# Altium PCB openservo_tessellated.PcbDoc (part 6 of 13)
Units mm, origin at the board's own origin, x right, y up, seen from the top; angles counter-clockwise.
Board outline 225 x 202.5 mm, 2 copper layers (Top Layer, Bottom Layer); 1250 components, 19 nets, 5300 pads, 1100 vias.
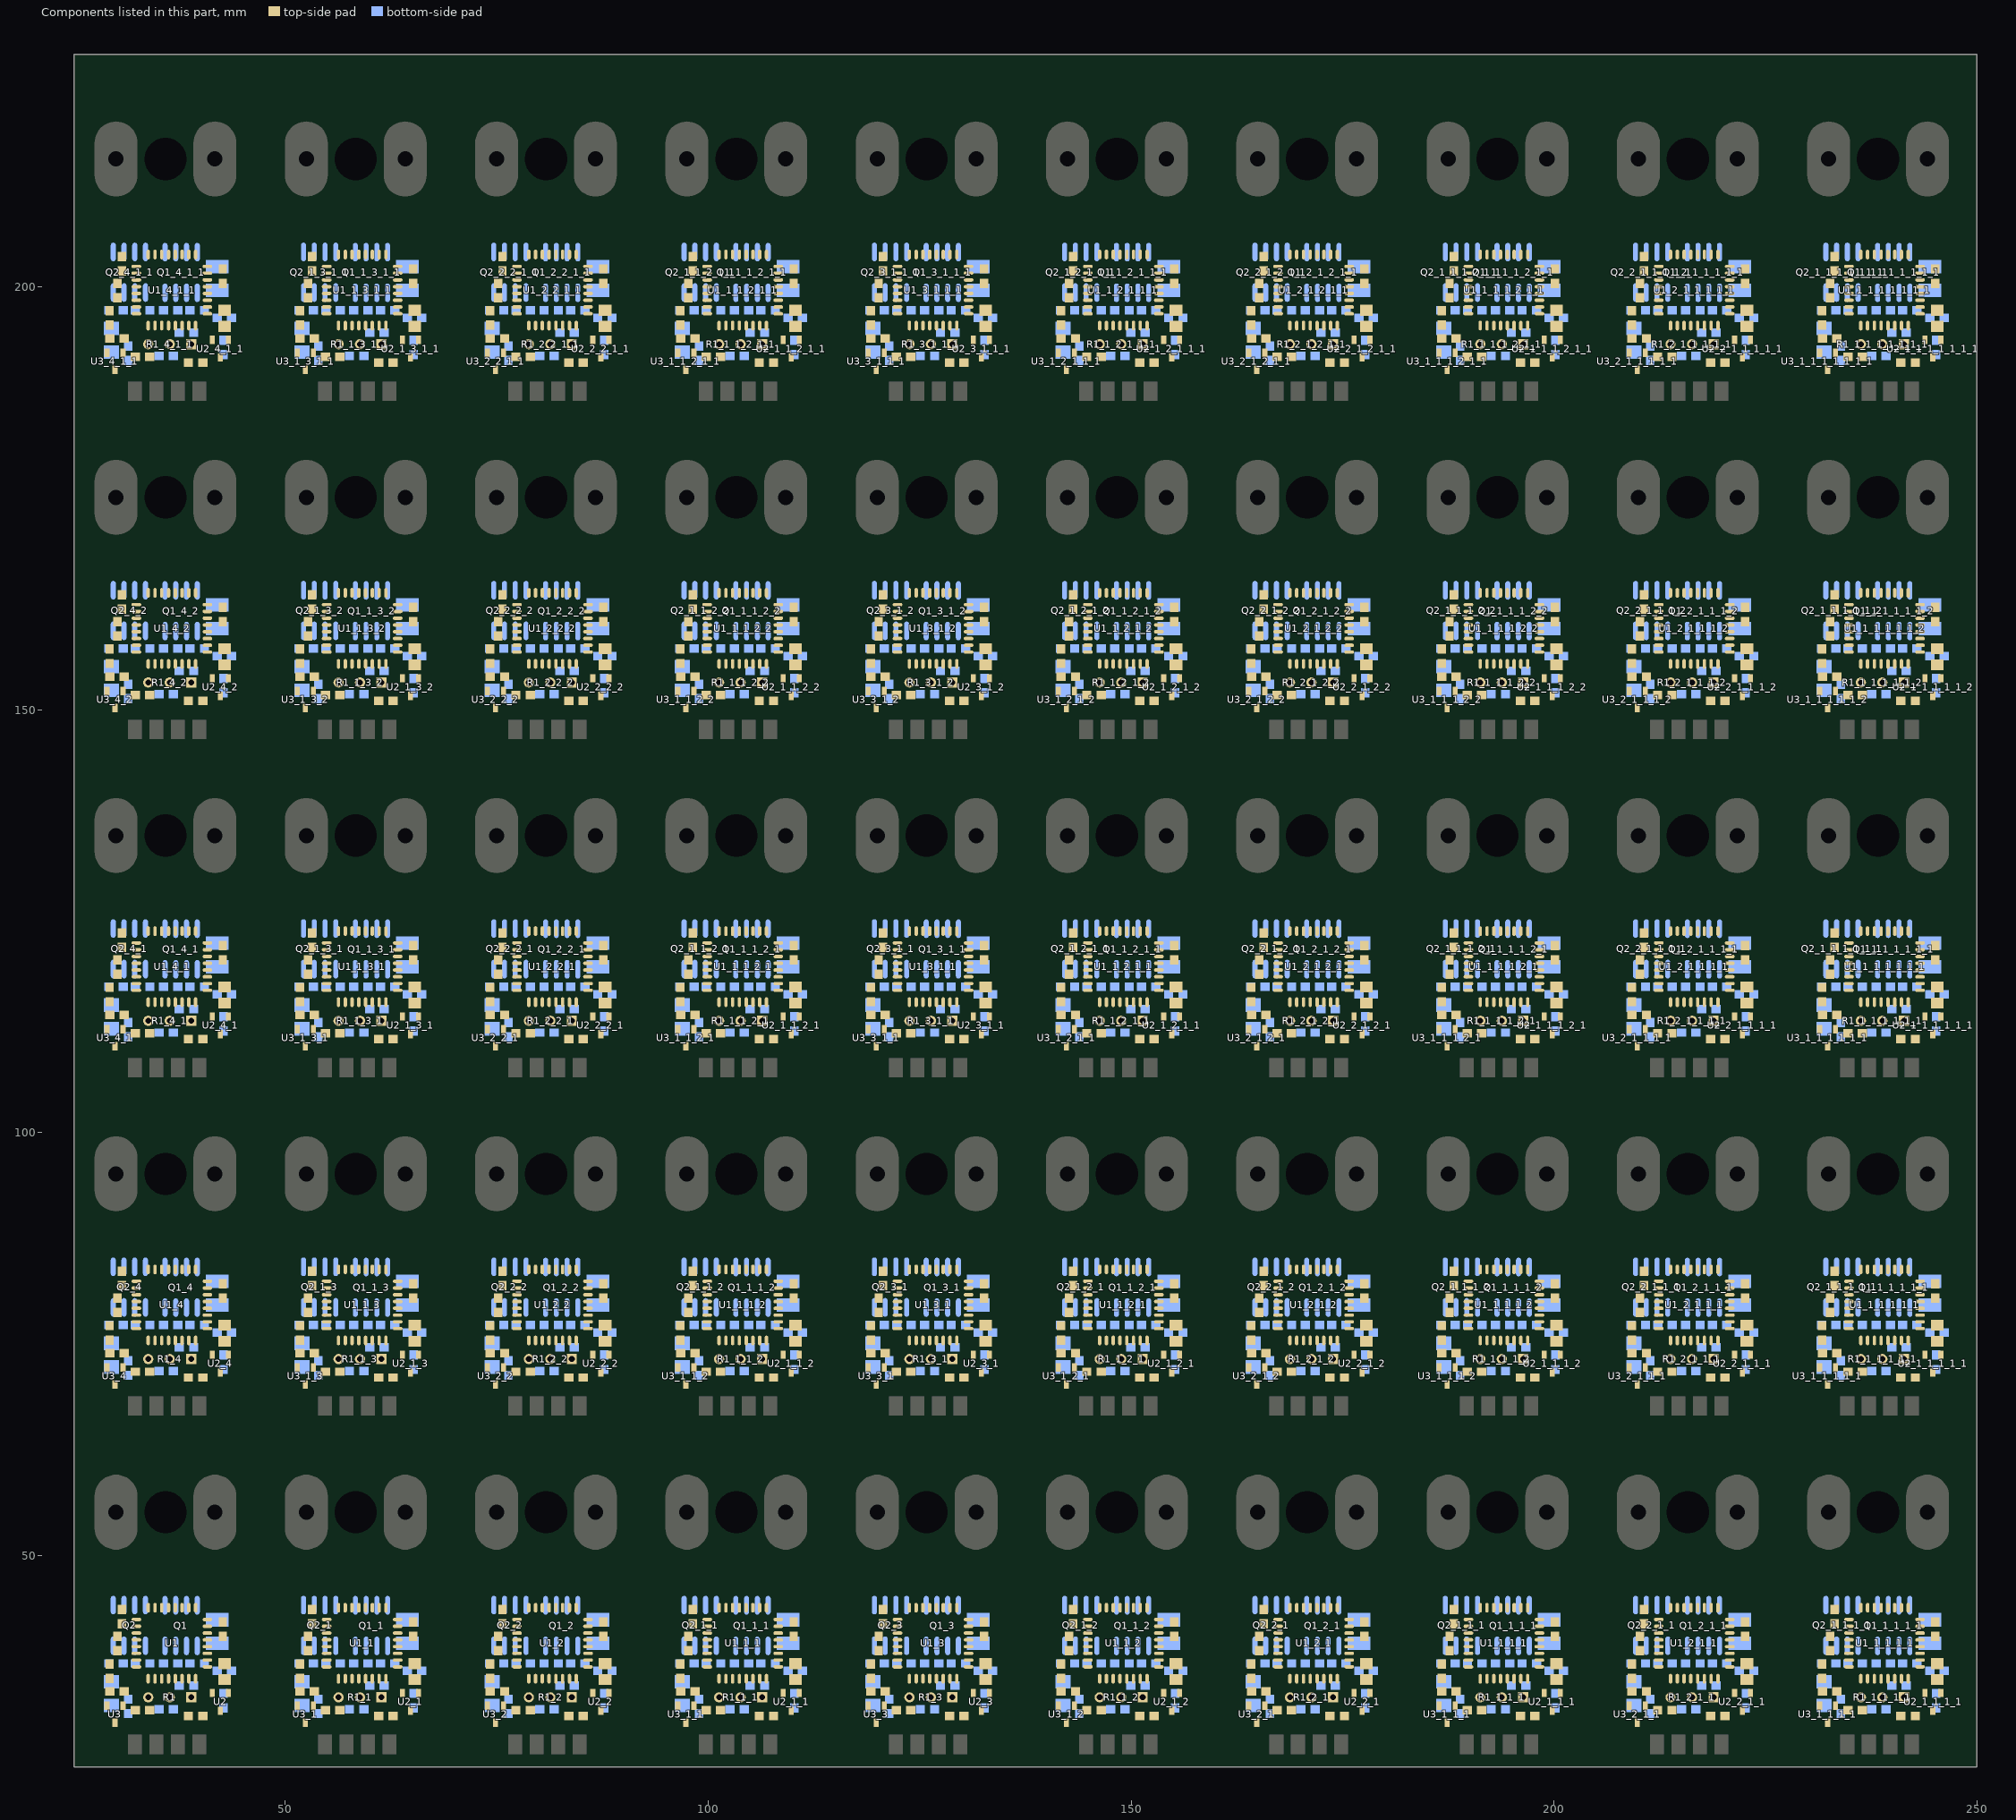
[diagram p6: the components of this part, seen from the top]

## Via types
v1: diameter 0.762, hole 0.35, Top Layer to Bottom Layer, 1000 vias
v2: diameter 1.27, hole 0.7, Top Layer to Bottom Layer, 100 vias

## Nets (pads, with @x,y where several pads share a name; then routed paths per layer and width w, separated by ;. In a path a pad name is that pad's centre, name@x,y a point inside that pad or via, vN(x,y) a via of type N, cw(c..) or ccw(c..) an arc to the next point about the centre after c; other vN are vias at no path point) (continued)
copper on no net: (continued)
  Top Layer w0.254: 27.5,65 245,65 ; 27.5,105 245,105 ; 27.5,145 245,145 ; 27.5,185 245,185 ; 27.5,225 245,225 ; v1(27.813,83.764) 28.118,83.764 29.391,85.037 33.931,85.037 34.576,84.393 34.576,83.824 ; v1(27.813,123.764) 28.118,123.764 29.391,125.037 33.931,125.037 34.576,124.393 34.576,123.824 ; v1(27.813,163.764) 28.118,163.764 29.391,165.037 33.931,165.037 34.576,164.393 34.576,163.824 ; v1(27.813,203.764) 28.118,203.764 29.391,205.037 33.931,205.037 34.576,204.393 34.576,203.824 ; v1(28.854,81.935) 28.854,82.24 30.212,83.598 30.658,83.598 31.601,82.655 31.601,81.881 31.858,81.624 32.376,81.624 ; v1(28.854,121.935) 28.854,122.24 30.212,123.598 30.658,123.598 31.601,122.655 31.601,121.881 31.858,121.624 32.376,121.624 ; v1(28.854,161.935) 28.854,162.24 30.212,163.598 30.658,163.598 31.601,162.655 31.601,161.881 31.858,161.624 32.376,161.624 ; v1(28.854,201.935) 28.854,202.24 30.212,203.598 30.658,203.598 31.601,202.655 31.601,201.881 31.858,201.624 32.376,201.624 ; 29.21,75.472 29.503,75.472 31.655,77.624 32.376,77.624 ; 29.21,115.472 29.503,115.472 31.655,117.624 32.376,117.624 ; 29.21,155.472 29.503,155.472 31.655,157.624 32.376,157.624 ; 29.21,195.472 29.503,195.472 31.655,197.624 32.376,197.624 ; 29.224,73.909 29.845,73.288 29.845,70.217 30.642,71.013 31.535,71.013 32.246,71.725 ; 29.224,113.909 29.845,113.288 29.845,110.217 30.642,111.013 31.535,111.013 32.246,111.725 ; 29.224,153.909 29.845,153.288 29.845,150.217 30.642,151.013 31.535,151.013 32.246,151.725 ; 29.224,193.909 29.845,193.288 29.845,190.217 30.642,191.013 31.535,191.013 32.246,191.725 ; 29.513,75.624 31.076,74.061 ; 29.513,115.624 31.076,114.061 ; 29.513,155.624 31.076,154.061 ; 29.513,195.624 31.076,194.061 ; 29.574,84.306 29.599,84.306 27.788,82.495 27.788,69.997 28.449,69.336 30.631,69.336 v1(30.963,69.667) ; 29.574,124.306 29.599,124.306 27.788,122.495 27.788,109.997 28.449,109.336 30.631,109.336 v1(30.963,109.667) ; 29.574,164.306 29.599,164.306 27.788,162.495 27.788,149.997 28.449,149.336 30.631,149.336 v1(30.963,149.667) ; 29.574,204.306 29.599,204.306 ; 29.599,84.306 29.822,84.529 33.071,84.529 33.776,83.824 ; 29.599,124.306 29.822,124.529 33.071,124.529 33.776,123.824 ; 29.599,164.306 29.822,164.529 33.071,164.529 33.776,163.824 ; 30.15,78.723 30.24,78.723 31.54,80.024 32.376,80.024 ; 30.15,118.723 30.24,118.723 31.54,120.024 32.376,120.024 ; 30.15,158.723 30.24,158.723 31.54,160.024 32.376,160.024 ; 30.15,198.723 30.24,198.723 31.54,200.024 32.376,200.024 ; 30.658,81.898 30.15,81.39 30.15,80.423 30.123,80.45 29.706,80.45 29.21,79.954 29.21,77.172 30.485,77.172 31.242,77.929 31.242,78.633 31.833,79.224 32.376,79.224 33.115,79.224 33.506,78.833 33.506,76.527 32.995,76.015 32.995,74.969 33.833,74.13 33.833,73.274 ; 30.658,121.898 30.15,121.39 30.15,120.423 30.123,120.45 29.706,120.45 29.21,119.954 29.21,117.172 30.485,117.172 31.242,117.929 31.242,118.633 31.833,119.224 32.376,119.224 33.115,119.224 33.506,118.833 33.506,116.527 32.995,116.015 32.995,114.969 33.833,114.13 33.833,113.274 ; 30.658,161.898 30.15,161.39 30.15,160.423 30.123,160.45 29.706,160.45 29.21,159.954 29.21,157.172 30.485,157.172 31.242,157.929 31.242,158.633 31.833,159.224 32.376,159.224 33.115,159.224 33.506,158.833 33.506,156.527 32.995,156.015 32.995,154.969 33.833,154.13 33.833,153.274 ; 30.658,201.898 30.15,201.39 30.15,200.423 30.123,200.45 29.706,200.45 29.21,199.954 29.21,197.172 30.485,197.172 31.242,197.929 31.242,198.633 31.833,199.224 32.376,199.224 33.115,199.224 33.506,198.833 33.506,196.527 32.995,196.015 32.995,194.969 33.833,194.13 33.833,193.274 ; 30.795,72.217 31.099,72.217 31.855,72.972 31.855,74.947 v1(31.191,75.611) ; 30.795,112.217 31.099,112.217 31.855,112.972 31.855,114.947 v1(31.191,115.611) ; 30.795,152.217 31.099,152.217 31.855,152.972 31.855,154.947 v1(31.191,155.611) ; 30.795,192.217 31.099,192.217 31.855,192.972 31.855,194.947 v1(31.191,195.611) ; v1(30.963,189.667) 30.631,189.336 28.449,189.336 27.788,189.997 27.788,202.495 29.599,204.306 ; 32.182,67.661 32.182,68.09 35.341,71.249 35.341,73.63 35.535,73.823 35.535,74.919 35.376,75.077 35.376,75.424 ; 32.182,107.661 32.182,108.09 35.341,111.249 35.341,113.63 35.535,113.823 35.535,114.919 35.376,115.077 35.376,115.424 ; 32.182,147.661 32.182,148.09 35.341,151.249 35.341,153.63 35.535,153.823 35.535,154.919 35.376,155.077 35.376,155.424 ; 32.182,187.661 32.182,188.09 35.341,191.249 35.341,193.63 35.535,193.823 35.535,194.919 35.376,195.077 35.376,195.424 ; 32.376,76.824 32.376,74.68 32.741,74.315 32.741,74.265 v1(32.639,74.163) ; 32.376,82.424 32.948,82.424 34.014,81.358 34.014,78.39 36.176,76.229 36.176,75.424 36.176,74.858 37.363,73.671 37.363,70.277 37.897,69.743 39.167,69.743 39.802,69.108 39.802,67.661 ; 32.376,116.824 32.376,114.68 32.741,114.315 32.741,114.265 v1(32.639,114.163) ; 32.376,122.424 32.948,122.424 34.014,121.358 34.014,118.39 36.176,116.229 36.176,115.424 36.176,114.858 37.363,113.671 37.363,110.277 37.897,109.743 39.167,109.743 39.802,109.108 39.802,107.661 ; 32.376,156.824 32.376,154.68 32.741,154.315 32.741,154.265 v1(32.639,154.163) ; 32.376,162.424 32.948,162.424 34.014,161.358 34.014,158.39 36.176,156.229 36.176,155.424 36.176,154.858 37.363,153.671 37.363,150.277 37.897,149.743 39.167,149.743 39.802,149.108 39.802,147.661 ; 32.376,196.824 32.376,194.68 32.741,194.315 32.741,194.265 v1(32.639,194.163) ; 32.376,202.424 32.948,202.424 34.014,201.358 34.014,198.39 36.176,196.229 36.176,195.424 36.176,194.858 37.363,193.671 37.363,190.277 37.897,189.743 39.167,189.743 39.802,189.108 39.802,187.661 ; v1(32.512,70.201) 33.122,70.201 33.946,71.025 33.946,73.161 33.833,73.274 ; v1(32.512,110.201) 33.122,110.201 33.946,111.025 33.946,113.161 33.833,113.274 ; v1(32.512,150.201) 33.122,150.201 33.946,151.025 33.946,153.161 33.833,153.274 ; v1(32.512,190.201) 33.122,190.201 33.946,191.025 33.946,193.161 33.833,193.274 ; 33.757,73.35 33.833,73.274 ; 33.757,113.35 33.833,113.274 ; 33.757,153.35 33.833,153.274 ; 33.757,193.35 33.833,193.274 ; 33.776,75.424 33.776,74.906 34.417,74.265 34.722,74.265 34.797,74.189 34.797,74.188 v1(34.773,74.163) ; 33.776,115.424 33.776,114.906 34.417,114.265 34.722,114.265 34.797,114.189 34.797,114.188 v1(34.773,114.163) ; 33.776,155.424 33.776,154.906 34.417,154.265 34.722,154.265 34.797,154.189 34.797,154.188 v1(34.773,154.163) ; 33.776,195.424 33.776,194.906 34.417,194.265 34.722,194.265 34.797,194.189 34.797,194.188 v1(34.773,194.163) ; 33.776,203.824 33.071,204.529 29.822,204.529 29.599,204.306 ; v1(34.106,82.376) 34.129,82.376 34.671,81.834 34.671,78.811 v1(34.798,78.811) ; v1(34.106,122.376) 34.129,122.376 34.671,121.834 34.671,118.811 v1(34.798,118.811) ; v1(34.106,162.376) 34.129,162.376 34.671,161.834 34.671,158.811 v1(34.798,158.811) ; v1(34.106,202.376) 34.129,202.376 34.671,201.834 34.671,198.811 v1(34.798,198.811) ; 35.376,83.824 35.376,82.881 v1(36.347,81.91) ; 35.376,123.824 35.376,122.881 v1(36.347,121.91) ; 35.376,163.824 35.376,162.881 v1(36.347,161.91) ; 35.376,203.824 35.376,202.881 v1(36.347,201.91) ; v1@35.408,70.328 35.458,70.378 v1(35.611,70.378) ; v1@35.408,110.328 35.458,110.378 v1(35.611,110.378) ; v1@35.408,150.328 35.458,150.378 v1(35.611,150.378) ; v1@35.408,190.328 35.458,190.378 v1(35.611,190.378) ; 36.176,83.824 36.176,83.252 36.734,82.694 37.57,82.694 38.28,81.984 v1@38.28,81.148 ; 36.176,123.824 36.176,123.252 36.734,122.694 37.57,122.694 38.28,121.984 v1@38.28,121.148 ; 36.176,163.824 36.176,163.252 36.734,162.694 37.57,162.694 38.28,161.984 v1@38.28,161.148 ; 36.176,203.824 36.176,203.252 36.734,202.694 37.57,202.694 38.28,201.984 v1@38.28,201.148 ; 36.976,75.424 36.976,74.779 37.233,74.522 39.671,74.522 40.22,73.973 40.22,71.039 40.22,70.062 41.021,69.261 42.189,69.261 v1(43.053,70.124) ; 36.976,115.424 36.976,114.779 37.233,114.522 39.671,114.522 40.22,113.973 40.22,111.039 40.22,110.062 41.021,109.261 42.189,109.261 v1(43.053,110.124) ; 36.976,155.424 36.976,154.779 37.233,154.522 39.671,154.522 40.22,153.973 40.22,151.039 40.22,150.062 41.021,149.261 42.189,149.261 v1(43.053,150.124) ; 36.976,195.424 36.976,194.779 37.233,194.522 39.671,194.522 40.22,193.973 40.22,191.039 40.22,190.062 41.021,189.261 42.189,189.261 v1(43.053,190.124) ; 38.52,71.039 38.52,73.034 38.837,73.35 ; 38.52,111.039 38.52,113.034 38.837,113.35 ; 38.52,151.039 38.52,153.034 38.837,153.35 ; 38.52,191.039 38.52,193.034 38.837,193.35 ; v1(40.538,75.585) 40.869,75.585 42.504,77.221 42.799,77.221 ; v1(40.538,115.585) 40.869,115.585 42.504,117.221 42.799,117.221 ; v1(40.538,155.585) 40.869,155.585 42.504,157.221 42.799,157.221 ; v1(40.538,195.585) 40.869,195.585 42.504,197.221 42.799,197.221 ; 40.744,80.056 40.776,80.024 39.395,80.024 ; 40.744,120.056 40.776,120.024 39.395,120.024 ; 40.744,160.056 40.776,160.024 39.395,160.024 ; 40.744,200.056 40.776,200.024 39.395,200.024 ; 40.776,78.424 39.732,78.424 39.395,78.76 39.395,80.024 ; 40.776,79.224 42.78,79.224 ; 40.776,80.824 42.197,80.824 42.596,80.425 42.799,80.222 ; 40.776,118.424 39.732,118.424 39.395,118.76 39.395,120.024 ; 40.776,119.224 42.78,119.224 ; 40.776,120.824 42.197,120.824 42.596,120.425 42.799,120.222 ; 40.776,158.424 39.732,158.424 39.395,158.76 39.395,160.024 ; 40.776,159.224 42.78,159.224 ; 40.776,160.824 42.197,160.824 42.596,160.425 42.799,160.222 ; 40.776,198.424 39.732,198.424 39.395,198.76 39.395,200.024 ; 40.776,199.224 42.78,199.224 ; 40.776,200.824 42.197,200.824 42.596,200.425 42.799,200.222 ; 41.554,95.016 41.656,95.118 ; 41.554,135.016 41.656,135.118 ; 41.554,175.016 41.656,175.118 ; 41.554,215.016 41.656,215.118 ; 43.241,73.74 43.241,74.879 ; 43.241,113.74 43.241,114.879 ; 43.241,153.74 43.241,154.879 ; 43.241,193.74 43.241,194.879 ; v1(43.917,83.866) 40.846,83.866 39.395,82.416 39.395,80.024 ; v1(43.917,123.866) 40.846,123.866 39.395,122.416 39.395,120.024 ; v1(43.917,163.866) 40.846,163.866 39.395,162.416 39.395,160.024 ; v1(43.917,203.866) 40.846,203.866 39.395,202.416 39.395,200.024 ; v1(50.313,43.764) 50.618,43.764 51.891,45.037 56.431,45.037 57.076,44.393 57.076,43.824 ; v1(50.313,83.764) 50.618,83.764 51.891,85.037 56.431,85.037 57.076,84.393 57.076,83.824 ; v1(50.313,123.764) 50.618,123.764 51.891,125.037 56.431,125.037 57.076,124.393 57.076,123.824 ; v1(50.313,163.764) 50.618,163.764 51.891,165.037 56.431,165.037 57.076,164.393 57.076,163.824 ; v1(50.313,203.764) 50.618,203.764 51.891,205.037 56.431,205.037 57.076,204.393 57.076,203.824 ; v1(51.354,41.935) 51.354,42.24 52.712,43.598 53.158,43.598 54.101,42.655 54.101,41.881 54.358,41.624 54.876,41.624 ; v1(51.354,81.935) 51.354,82.24 52.712,83.598 53.158,83.598 54.101,82.655 54.101,81.881 54.358,81.624 54.876,81.624 ; v1(51.354,121.935) 51.354,122.24 52.712,123.598 53.158,123.598 54.101,122.655 54.101,121.881 54.358,121.624 54.876,121.624 ; v1(51.354,161.935) 51.354,162.24 52.712,163.598 53.158,163.598 54.101,162.655 54.101,161.881 54.358,161.624 54.876,161.624 ; v1(51.354,201.935) 51.354,202.24 52.712,203.598 53.158,203.598 54.101,202.655 54.101,201.881 54.358,201.624 54.876,201.624 ; 51.71,35.472 52.003,35.472 54.155,37.624 54.876,37.624 ; 51.71,75.472 52.003,75.472 54.155,77.624 54.876,77.624 ; 51.71,115.472 52.003,115.472 54.155,117.624 54.876,117.624 ; 51.71,155.472 52.003,155.472 54.155,157.624 54.876,157.624 ; 51.71,195.472 52.003,195.472 54.155,197.624 54.876,197.624 ; 51.724,33.909 52.345,33.288 52.345,30.217 53.142,31.013 54.035,31.013 54.746,31.725 ; 51.724,73.909 52.345,73.288 52.345,70.217 53.142,71.013 54.035,71.013 54.746,71.725 ; 51.724,113.909 52.345,113.288 52.345,110.217 53.142,111.013 54.035,111.013 54.746,111.725 ; 51.724,153.909 52.345,153.288 52.345,150.217 53.142,151.013 54.035,151.013 54.746,151.725 ; 51.724,193.909 52.345,193.288 52.345,190.217 53.142,191.013 54.035,191.013 54.746,191.725 ; 52.013,35.624 53.576,34.061 ; 52.013,75.624 53.576,74.061 ; 52.013,115.624 53.576,114.061 ; 52.013,155.624 53.576,154.061 ; 52.013,195.624 53.576,194.061 ; 52.074,44.306 52.099,44.306 50.288,42.495 50.288,29.997 50.949,29.336 53.131,29.336 v1(53.463,29.667) ; 52.074,84.306 52.099,84.306 50.288,82.495 50.288,69.997 50.949,69.336 53.131,69.336 v1(53.463,69.667) ; 52.074,124.306 52.099,124.306 50.288,122.495 50.288,109.997 50.949,109.336 53.131,109.336 v1(53.463,109.667) ; 52.074,164.306 52.099,164.306 50.288,162.495 50.288,149.997 50.949,149.336 53.131,149.336 v1(53.463,149.667) ; 52.074,204.306 52.099,204.306 ; 52.099,44.306 52.322,44.529 55.571,44.529 56.276,43.824 ; 52.099,84.306 52.322,84.529 55.571,84.529 56.276,83.824 ; 52.099,124.306 52.322,124.529 55.571,124.529 56.276,123.824 ; 52.099,164.306 52.322,164.529 55.571,164.529 56.276,163.824 ; 52.65,38.723 52.74,38.723 54.04,40.024 54.876,40.024 ; 52.65,78.723 52.74,78.723 54.04,80.024 54.876,80.024 ; 52.65,118.723 52.74,118.723 54.04,120.024 54.876,120.024 ; 52.65,158.723 52.74,158.723 54.04,160.024 54.876,160.024 ; 52.65,198.723 52.74,198.723 54.04,200.024 54.876,200.024 ; 53.158,41.898 52.65,41.39 52.65,40.423 52.623,40.45 52.206,40.45 51.71,39.954 51.71,37.172 52.985,37.172 53.742,37.929 53.742,38.633 54.333,39.224 54.876,39.224 55.615,39.224 56.006,38.833 56.006,36.527 55.495,36.015 55.495,34.969 56.333,34.13 56.333,33.274 ; 53.158,81.898 52.65,81.39 52.65,80.423 52.623,80.45 52.206,80.45 51.71,79.954 51.71,77.172 52.985,77.172 53.742,77.929 53.742,78.633 54.333,79.224 54.876,79.224 55.615,79.224 56.006,78.833 56.006,76.527 55.495,76.015 55.495,74.969 56.333,74.13 56.333,73.274 ; 53.158,121.898 52.65,121.39 52.65,120.423 52.623,120.45 52.206,120.45 51.71,119.954 51.71,117.172 52.985,117.172 53.742,117.929 53.742,118.633 54.333,119.224 54.876,119.224 55.615,119.224 56.006,118.833 56.006,116.527 55.495,116.015 55.495,114.969 56.333,114.13 56.333,113.274 ; 53.158,161.898 52.65,161.39 52.65,160.423 52.623,160.45 52.206,160.45 51.71,159.954 51.71,157.172 52.985,157.172 53.742,157.929 53.742,158.633 54.333,159.224 54.876,159.224 55.615,159.224 56.006,158.833 56.006,156.527 55.495,156.015 55.495,154.969 56.333,154.13 56.333,153.274 ; 53.158,201.898 52.65,201.39 52.65,200.423 52.623,200.45 52.206,200.45 51.71,199.954 51.71,197.172 52.985,197.172 53.742,197.929 53.742,198.633 54.333,199.224 54.876,199.224 55.615,199.224 56.006,198.833 56.006,196.527 55.495,196.015 55.495,194.969 56.333,194.13 56.333,193.274 ; 53.295,32.217 53.599,32.217 54.355,32.972 54.355,34.947 v1(53.691,35.611) ; 53.295,72.217 53.599,72.217 54.355,72.972 54.355,74.947 v1(53.691,75.611) ; 53.295,112.217 53.599,112.217 54.355,112.972 54.355,114.947 v1(53.691,115.611) ; 53.295,152.217 53.599,152.217 54.355,152.972 54.355,154.947 v1(53.691,155.611) ; 53.295,192.217 53.599,192.217 54.355,192.972 54.355,194.947 v1(53.691,195.611) ; v1(53.463,189.667) 53.131,189.336 50.949,189.336 50.288,189.997 50.288,202.495 52.099,204.306 ; 54.682,27.661 54.682,28.09 57.841,31.249 57.841,33.63 58.035,33.823 58.035,34.919 57.876,35.077 57.876,35.424 ; 54.682,67.661 54.682,68.09 57.841,71.249 57.841,73.63 58.035,73.823 58.035,74.919 57.876,75.077 57.876,75.424 ; 54.682,107.661 54.682,108.09 57.841,111.249 57.841,113.63 58.035,113.823 58.035,114.919 57.876,115.077 57.876,115.424 ; 54.682,147.661 54.682,148.09 57.841,151.249 57.841,153.63 58.035,153.823 58.035,154.919 57.876,155.077 57.876,155.424 ; 54.682,187.661 54.682,188.09 57.841,191.249 57.841,193.63 58.035,193.823 58.035,194.919 57.876,195.077 57.876,195.424 ; 54.876,36.824 54.876,34.68 55.241,34.315 55.241,34.265 v1(55.139,34.163) ; 54.876,42.424 55.448,42.424 56.514,41.358 56.514,38.39 58.676,36.229 58.676,35.424 58.676,34.858 59.863,33.671 59.863,30.277 60.397,29.743 61.667,29.743 62.302,29.108 62.302,27.661 ; 54.876,76.824 54.876,74.68 55.241,74.315 55.241,74.265 v1(55.139,74.163) ; 54.876,82.424 55.448,82.424 56.514,81.358 56.514,78.39 58.676,76.229 58.676,75.424 58.676,74.858 59.863,73.671 59.863,70.277 60.397,69.743 61.667,69.743 62.302,69.108 62.302,67.661 ; 54.876,116.824 54.876,114.68 55.241,114.315 55.241,114.265 v1(55.139,114.163) ; 54.876,122.424 55.448,122.424 56.514,121.358 56.514,118.39 58.676,116.229 58.676,115.424 58.676,114.858 59.863,113.671 59.863,110.277 60.397,109.743 61.667,109.743 62.302,109.108 62.302,107.661 ; 54.876,156.824 54.876,154.68 55.241,154.315 55.241,154.265 v1(55.139,154.163) ; 54.876,162.424 55.448,162.424 56.514,161.358 56.514,158.39 58.676,156.229 58.676,155.424 58.676,154.858 59.863,153.671 59.863,150.277 60.397,149.743 61.667,149.743 62.302,149.108 62.302,147.661 ; 54.876,196.824 54.876,194.68 55.241,194.315 55.241,194.265 v1(55.139,194.163) ; 54.876,202.424 55.448,202.424 56.514,201.358 56.514,198.39 58.676,196.229 58.676,195.424 58.676,194.858 59.863,193.671 59.863,190.277 60.397,189.743 61.667,189.743 62.302,189.108 62.302,187.661 ; v1(55.012,30.201) 55.622,30.201 56.446,31.025 56.446,33.161 56.333,33.274 ; v1(55.012,70.201) 55.622,70.201 56.446,71.025 56.446,73.161 56.333,73.274 ; v1(55.012,110.201) 55.622,110.201 56.446,111.025 56.446,113.161 56.333,113.274 ; v1(55.012,150.201) 55.622,150.201 56.446,151.025 56.446,153.161 56.333,153.274 ; v1(55.012,190.201) 55.622,190.201 56.446,191.025 56.446,193.161 56.333,193.274 ; 56.257,33.35 56.333,33.274 ; 56.257,73.35 56.333,73.274 ; 56.257,113.35 56.333,113.274 ; 56.257,153.35 56.333,153.274 ; 56.257,193.35 56.333,193.274 ; 56.276,35.424 56.276,34.906 56.917,34.265 57.222,34.265 57.297,34.189 57.297,34.188 v1(57.273,34.163) ; 56.276,75.424 56.276,74.906 56.917,74.265 57.222,74.265 57.297,74.189 57.297,74.188 v1(57.273,74.163) ; 56.276,115.424 56.276,114.906 56.917,114.265 57.222,114.265 57.297,114.189 57.297,114.188 v1(57.273,114.163) ; 56.276,155.424 56.276,154.906 56.917,154.265 57.222,154.265 57.297,154.189 57.297,154.188 v1(57.273,154.163) ; 56.276,195.424 56.276,194.906 56.917,194.265 57.222,194.265 57.297,194.189 57.297,194.188 v1(57.273,194.163) ; 56.276,203.824 55.571,204.529 52.322,204.529 52.099,204.306 ; v1(56.606,42.376) 56.629,42.376 57.171,41.834 57.171,38.811 v1(57.298,38.811) ; v1(56.606,82.376) 56.629,82.376 57.171,81.834 57.171,78.811 v1(57.298,78.811) ; v1(56.606,122.376) 56.629,122.376 57.171,121.834 57.171,118.811 v1(57.298,118.811) ; v1(56.606,162.376) 56.629,162.376 57.171,161.834 57.171,158.811 v1(57.298,158.811) ; v1(56.606,202.376) 56.629,202.376 57.171,201.834 57.171,198.811 v1(57.298,198.811) ; 57.876,43.824 57.876,42.881 v1(58.847,41.91) ; 57.876,83.824 57.876,82.881 v1(58.847,81.91) ; 57.876,123.824 57.876,122.881 v1(58.847,121.91) ; 57.876,163.824 57.876,162.881 v1(58.847,161.91) ; 57.876,203.824 57.876,202.881 v1(58.847,201.91) ; v1@57.908,30.328 57.958,30.378 v1(58.111,30.378) ; v1@57.908,70.328 57.958,70.378 v1(58.111,70.378) ; v1@57.908,110.328 57.958,110.378 v1(58.111,110.378) ; v1@57.908,150.328 57.958,150.378 v1(58.111,150.378) ; v1@57.908,190.328 57.958,190.378 v1(58.111,190.378) ; 58.676,43.824 58.676,43.252 59.234,42.694 60.07,42.694 60.78,41.984 v1@60.78,41.148 ; 58.676,83.824 58.676,83.252 59.234,82.694 60.07,82.694 60.78,81.984 v1@60.78,81.148 ; 58.676,123.824 58.676,123.252 59.234,122.694 60.07,122.694 60.78,121.984 v1@60.78,121.148 ; 58.676,163.824 58.676,163.252 59.234,162.694 60.07,162.694 60.78,161.984 v1@60.78,161.148 ; 58.676,203.824 58.676,203.252 59.234,202.694 60.07,202.694 60.78,201.984 v1@60.78,201.148 ; 59.476,35.424 59.476,34.779 59.733,34.522 62.171,34.522 62.72,33.973 62.72,31.039 62.72,30.062 63.521,29.261 64.689,29.261 v1(65.553,30.124) ; 59.476,75.424 59.476,74.779 59.733,74.522 62.171,74.522 62.72,73.973 62.72,71.039 62.72,70.062 63.521,69.261 64.689,69.261 v1(65.553,70.124) ; 59.476,115.424 59.476,114.779 59.733,114.522 62.171,114.522 62.72,113.973 62.72,111.039 62.72,110.062 63.521,109.261 64.689,109.261 v1(65.553,110.124) ; 59.476,155.424 59.476,154.779 59.733,154.522 62.171,154.522 62.72,153.973 62.72,151.039 62.72,150.062 63.521,149.261 64.689,149.261 v1(65.553,150.124) ; 59.476,195.424 59.476,194.779 59.733,194.522 62.171,194.522 62.72,193.973 62.72,191.039 62.72,190.062 63.521,189.261 64.689,189.261 v1(65.553,190.124) ; 61.02,31.039 61.02,33.034 61.337,33.35 ; 61.02,71.039 61.02,73.034 